# Altium PCB cheriot-test.PcbDoc (part 6 of 10)
Units mil, origin at the board's own origin, x right, y up, seen from the top; angles counter-clockwise.
Board outline 4921.26 x 3149.61 mil, 8 copper layers (Top Layer, Int1 (Sign), Int2 (GND), Int3 (Sign), Int4 (Sign), Int5 (PWR), Int6 (Sign), Bottom Layer), stack 60.424 mil thick; 468 components, 516 nets, 2293 pads, 1328 vias.
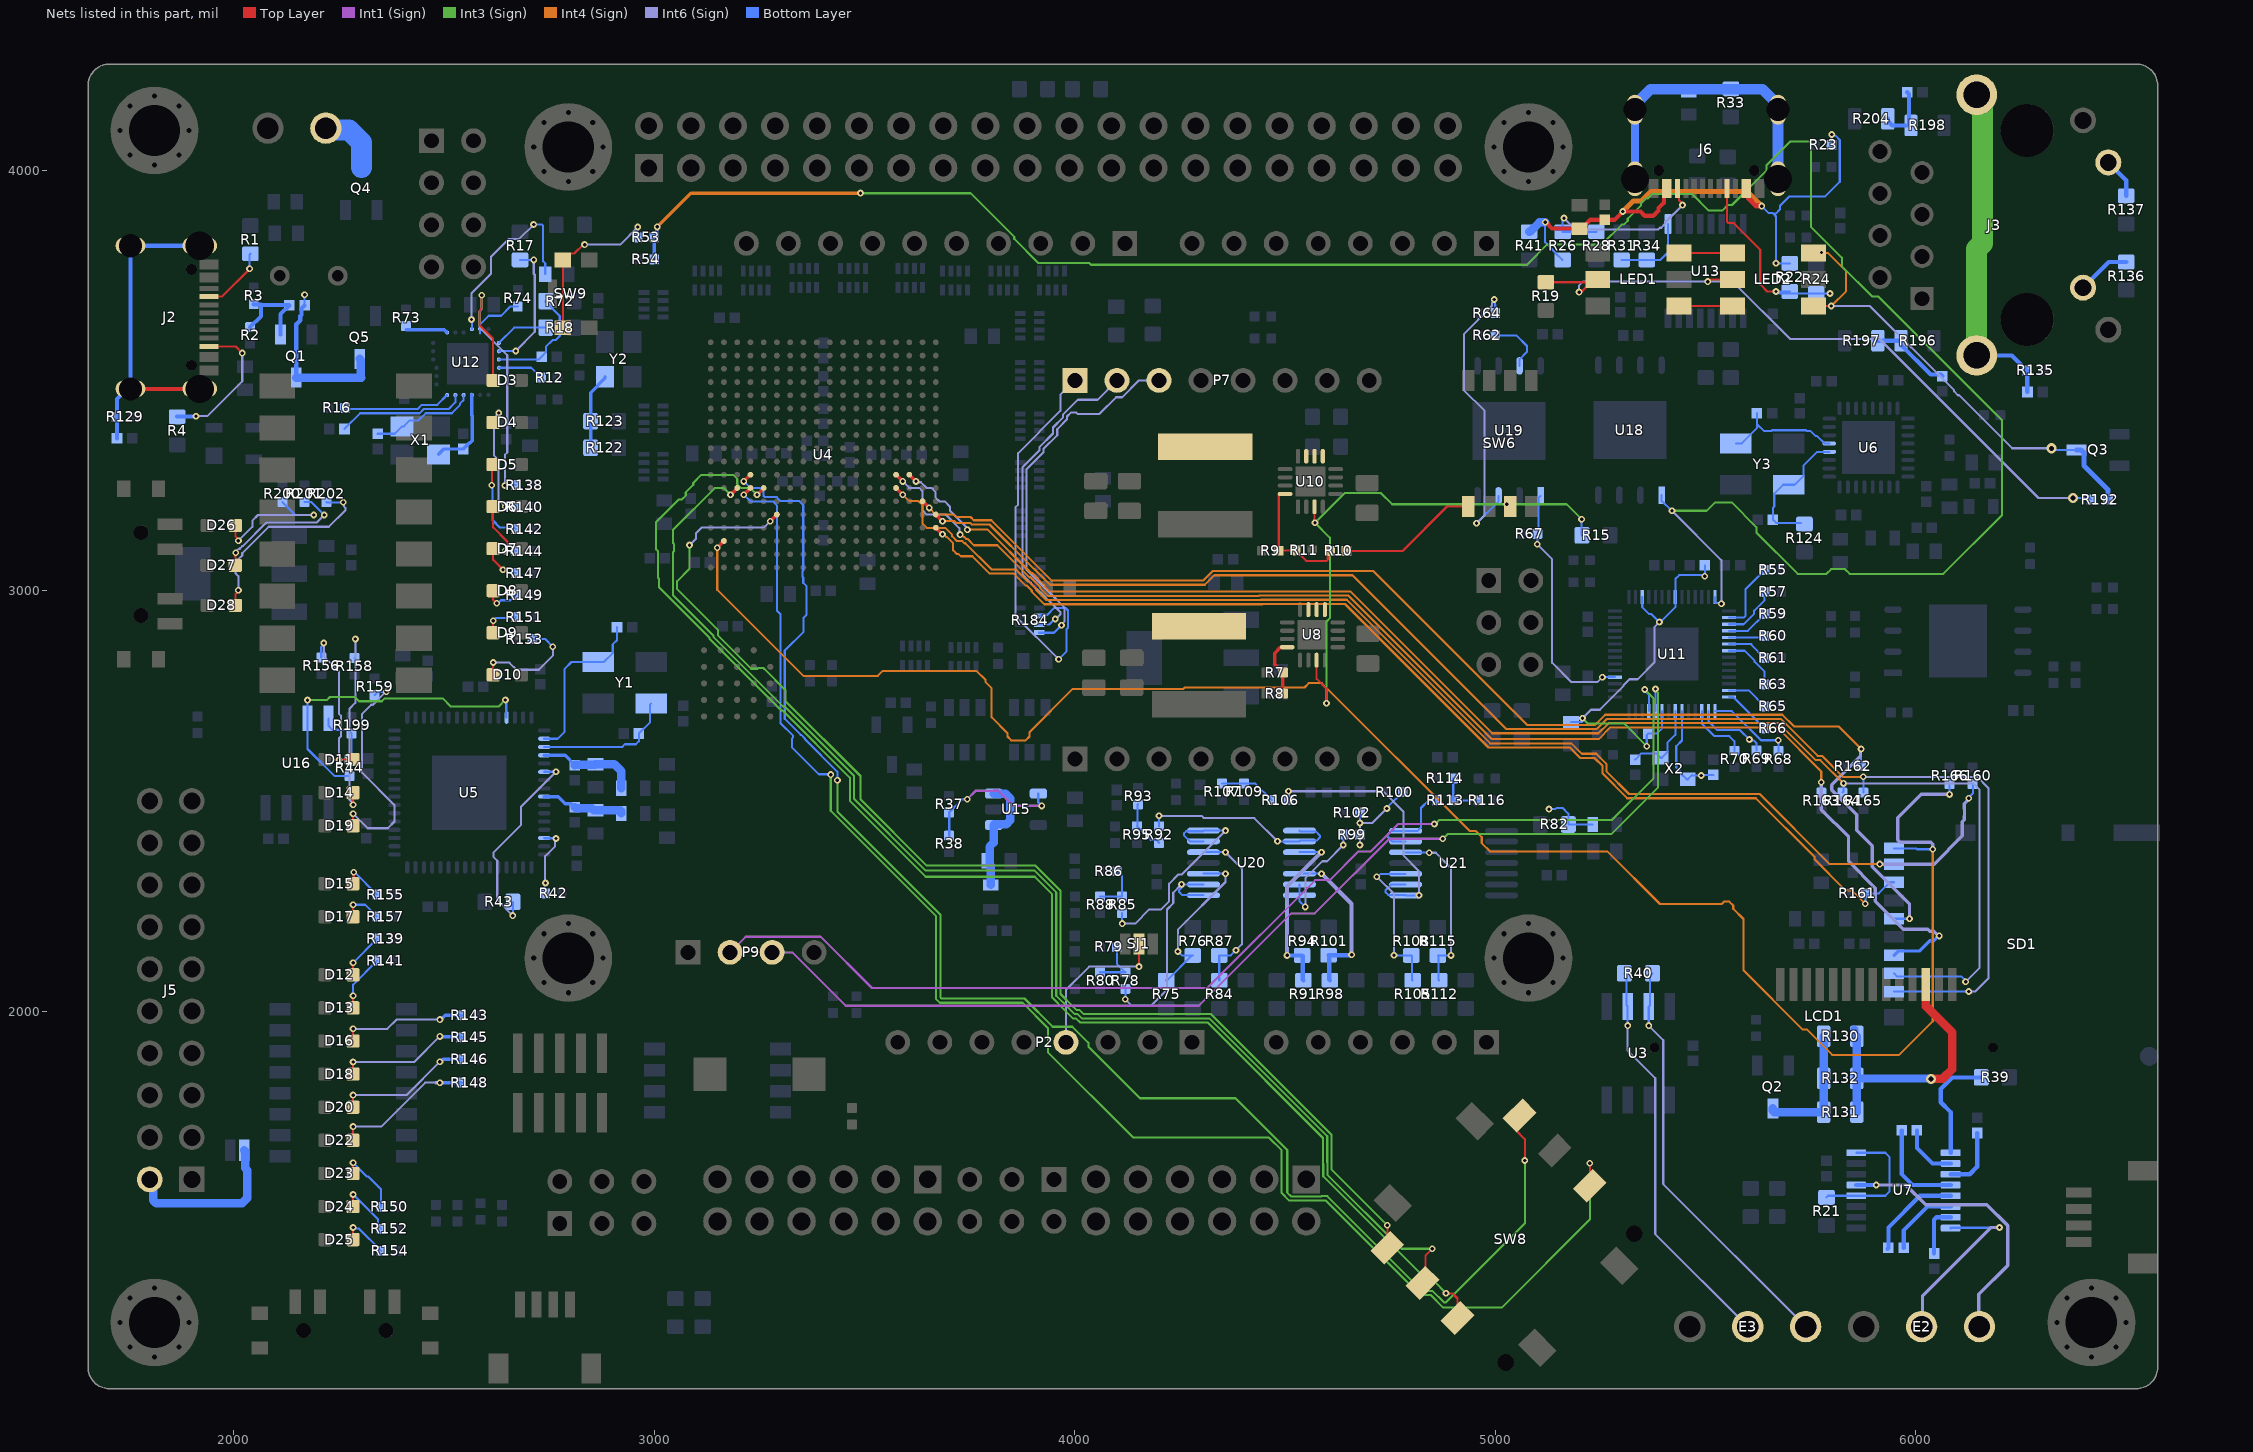
[diagram p12: the nets of this part, all layers, seen from the top]

## Via types
v1: diameter 16, hole 8, Top Layer to Bottom Layer, tented both sides, 1207 vias
v2: diameter 24, hole 12, Top Layer to Bottom Layer, tented both sides, 105 vias
v3: diameter 23.62, hole 11.81, Top Layer to Bottom Layer, tented both sides, 16 vias

## Nets (pads, with @x,y where several pads share a name; then routed paths per layer and width w, separated by ;. In a path a pad name is that pad's centre, name@x,y a point inside that pad or via, vN(x,y) a via of type N, cw(c..) or ccw(c..) an arc to the next point about the centre after c; other vN are vias at no path point) (continued)
MB8: P7.3 R184.1B | length 894.3
  Int6 (Sign) w5: v1(3968.19,2918) 3968.19,2920.02 3975.64,2927.47 3975.64,2952.21 3975.5,2952.36 3975.5,2959.5 3939.5,2995.5 3885,3050 3885,3288.62 3925.5,3329.12 3925.5,3337.22 3957.98,3369.7 3957.98,3383.84 3981.38,3407.24 3981.38,3414.25 3990.46,3423.33 4003.3,3423.33 4006.63,3420 4058.09,3420 4098.09,3460 4112.36,3460 4152.36,3500 P7.3@4200,3500
  Bottom Layer w5: R184.1B@3915.28,2900.01 3915.45,2899.83 3950.18,2899.83 3968.19,2917.85 v1(3968.19,2918)
MB9: P7.2 R184.2B | length 774.6
  Int6 (Sign) w5: v1(3953.26,2932.76) 3954.27,2932.76 3965.64,2944.14 3965.64,2948.28 3913.92,3000 3895,3018.92 3875,3038.92 3875,3292.76 3915.5,3333.26 3915.5,3341.36 3947.98,3373.84 3947.98,3387.98 3971.38,3411.38 3971.38,3418.39 4007.01,3454.03 4054.03,3454.03 P7.2@4100,3500
  Bottom Layer w5: R184.2B@3915.28,2919.69 3939.06,2919.68 3952.14,2932.76 v1(3953.26,2932.76)
MB10: P7.1 R184.3B | length 968.8
  Int6 (Sign) w5: v1(3961.25,2836.83) 3858.45,2939.63 3858.45,3198.18 3865,3204.72 3865,3326.92 3965.5,3427.42 3965.5,3465.5 P7.1@4000,3500
  Bottom Layer w5: R184.3B@3915.28,2939.38 3918.68,2942.78 3934.78,2942.78 3951,2959 3977.53,2959 3983.69,2952.84 3983.69,2911.58 3980.46,2908.35 3980.46,2856.04 v1(3961.25,2836.83)
MICROSD_CLK: R162.1 SD1.5 U4.U6 | length 3101
  Top Layer w8: U4.U6@3637.8,3212.6 v1(3653.54,3196.85)
  Int4 (Sign) w5: v1(3653.54,3196.85) 3669.54,3180.85 3712.22,3180.85 3717.78,3175.29 3751.63,3175.29 3759.51,3167.41 3801.15,3167.41 3906.66,3061.91 3906.74,3061.91 3944.65,3024 4304.77,3024 4327.46,3046.69 4709.21,3046.69 5074.99,2680.91 5237.01,2680.91 5261.1,2705 5682.43,2705 5710.43,2677 5816.19,2677 v1(5869.69,2623.5)
  Int6 (Sign) w8: v1(5869.69,2623.5) 5868.16,2621.97 5868.16,2606.1 5800,2537.94 5800,2526 5859,2467 5859,2430 5896.11,2392.89 5896.11,2343.37 5984.85,2254.62 v1(5984.85,2219.87)
  Bottom Layer w5: R162.1@5869.69,2582.82 5869.69,2600.66 v1(5869.69,2623.5) ; SD1.5@5948.23,2219.87 5977.89,2219.87 v1(5984.85,2219.87)
MICROSD_CMD: R163.1 SD1.3 U4.R8 | length 3251.4
  Top Layer w8: U4.R8@3574.8,3275.59 v1(3590.55,3259.84)
  Int4 (Sign) w5: v1(3726.97,3133.36) 3729.95,3133.36 3735.45,3127.86 3736.85,3127.86 3741.91,3122.81 3745.04,3122.81 3759.85,3108 3815.51,3108 3891.6,3031.91 3894.31,3031.91 3917.45,3008.77 3917.45,3006.06 3935.82,2987.69 4437.42,2987.69 4438.07,2988.34 4650.65,2988.34 4991.99,2647 5245.53,2647 5273.53,2675 5670,2675 5775,2570 v1(5775,2544.5)
  Int6 (Sign) w5: v1(3590.55,3259.84) 3606.05,3244.34 3629.67,3244.34 3637.33,3236.68 3637.33,3213.91 3637.84,3213.4 3637.84,3190.63 3647.62,3180.85 3691.46,3180.85 3691.66,3180.66 3693.34,3180.66 3725.14,3148.86 3725.14,3135.2 v1(3726.97,3133.36)
  Int6 (Sign) w8: v1(5775,2544.5) 5775,2479.55 5839.82,2414.72 5839.82,2356.18 5903.12,2292.88 5903.12,2261.88 5970.23,2194.77 6028.23,2194.77 6032.78,2190.22 6042.11,2190.22 6053.34,2179 v1(6055.5,2179)
  Bottom Layer w5: R163.1@5775,2519.68 v1(5775,2544.5)
  Bottom Layer w8: SD1.3@5948.23,2133.25 5958.01,2143.03 6008.03,2143.03 6032.78,2167.78 6042.11,2167.78 6053.34,2179 v1(6055.5,2179)
MICROSD_DAT0: R161.1 SD1.7 U4.V4 | length 2711.2
  Top Layer w8: U4.V4@3669.29,3149.61 v1(3685.04,3133.86)
  Int4 (Sign) w5: v1(3685.04,3133.86) 3688.02,3133.86 3694.01,3127.86 3695.6,3127.86 3710.54,3112.92 3710.54,3095.94 3719.62,3086.86 3723.63,3086.86 3728.68,3081.81 3756.13,3081.81 3797.44,3040.5 3854.73,3040.5 3883.32,3011.91 3886.03,3011.91 3897.45,3000.49 3897.45,2997.77 3927.54,2967.69 4445.7,2967.69 4446.35,2968.34 4642.37,2968.34 4983.71,2627 5176.57,2627 5201.39,2602.18 5235.58,2602.18 5254.54,2583.23 5254.54,2565.39 5313.48,2506.44 5619.32,2506.44 5758.8,2366.96 5758.8,2361.01 5832.16,2287.65 5847.22,2287.65 v1(5879.69,2255.19)
  Bottom Layer w5: v1(5879.69,2255.19) 5879.69,2262.15 R161.1@5879.69,2280 5911.9,2280 5938.39,2306.48 SD1.7@5948.23,2306.48
MICROSD_DAT1: R160.1 SD1.8 U4.R7 | length 3143.1
  Top Layer w8: U4.R7@3574.8,3244.09 v1(3590.55,3228.35)
  Int4 (Sign) w5: v1(3590.55,3228.35) 3606.05,3212.85 3627.97,3212.85 3637.8,3203.02 3637.8,3159.18 3647.62,3149.36 3691.46,3149.36 3708.13,3132.69 3708.13,3129.48 3719.74,3117.86 3732.46,3117.86 3737.51,3112.81 3739.27,3112.81 3801.58,3050.5 3858.87,3050.5 3887.46,3021.91 3890.17,3021.91 3907.45,3004.63 3907.45,3001.92 3931.68,2977.69 4441.56,2977.69 4442.21,2978.34 4646.51,2978.34 4987.85,2637 5180.71,2637 5205.53,2612.18 5239.72,2612.18 5264.54,2587.37 5264.54,2569.53 5317.62,2516.44 5628.86,2516.44 5795.51,2349.79 v1(5913.73,2349.79)
  Int6 (Sign) w8: v1(5913.73,2349.79) 6043.48,2349.79 6110.58,2416.89 6110.58,2450.79 6114.95,2455.16 6114.95,2463.2 6115.49,2463.74 6115.49,2481.14 6114.95,2481.68 6114.95,2492.92 6125.92,2503.89 v1(6125.92,2506.06)
  Bottom Layer w5: v1(5913.73,2349.79) 5918.57,2349.79 SD1.8@5948.23,2349.79 ; v1(6125.92,2506.06) 6125.92,2508 6135.91,2517.99 6135.91,2539.09 R160.1@6135,2540
MICROSD_DAT2: R165.1 SD1.1 U4.V5 | length 3547.8
  Top Layer w8: U4.V5@3669.29,3181.1 v1(3685.04,3165.35)
  Int4 (Sign) w5: v1(3685.04,3165.35) 3713.57,3165.35 3718.3,3160.63 3752.15,3160.63 3755.36,3157.41 3797.01,3157.41 3902.52,3051.91 3902.6,3051.91 3937.45,3017.06 3937.45,3016.97 3940.43,3014 4308.91,3014 4331.6,3036.69 4660.14,3036.69 5025.92,2670.91 5241.15,2670.91 5265.24,2695 5678.28,2695 5766.28,2607 5776.64,2607 5826.44,2557.2 v1(5875,2557.2)
  Int6 (Sign) w5: v1(5875,2557.2) 6145.67,2557.2 6172.5,2530.37 6172.5,2078.01 6141.42,2046.93 6126.21,2046.93 v1(6125.92,2046.64)
  Bottom Layer w5: R165.1@5875,2519.68 v1(5875,2557.2) ; SD1.1@5948.23,2046.64 v1(6125.92,2046.64) 6132.08,2046.64 v1@6132.08,2043.66
MICROSD_DAT3: R164.1 SD1.2 U4.T8 | length 3566.8
  Top Layer w8: U4.T8@3606.3,3275.59 v1(3622.05,3259.84)
  Int4 (Sign) w5: v1(3744.37,3145.13) 3744.99,3145.75 3791.9,3145.75 3895.74,3041.91 3898.46,3041.91 3927.45,3012.91 3927.45,3010.2 3939.96,2997.69 4433.27,2997.69 4433.93,2998.34 4654.79,2998.34 4992.22,2660.91 5245.3,2660.91 5269.38,2685 5674.14,2685 5762.14,2597 5772.5,2597 v1(5827.8,2541.7)
  Int6 (Sign) w5: v1(3622.05,3259.84) 3624.15,3257.74 3633.73,3257.74 3647.12,3244.34 3659.03,3244.34 3668.33,3235.04 3668.33,3221.93 3677.91,3212.35 3690.26,3212.35 3702.85,3199.76 3702.85,3190.22 3739.79,3153.28 3739.79,3152.68 3744.37,3148.1 v1(3744.37,3145.13) ; v1(5827.8,2541.7) 6136.37,2541.7 6151.41,2526.66 6151.41,2103.26 v1(6118.14,2070)
  Bottom Layer w5: R164.1@5825,2519.68 5827.8,2522.48 v1(5827.8,2541.7) ; SD1.2@5948.23,2089.95 5955.9,2082.28 6108.84,2082.28 6118.14,2072.98 v1(6118.14,2070)
MICROSD_DET: R166.1 SD1.9 U4.B3 | length 4594.4
  Top Layer w8: v1(3149.61,3102.36) U4.B3@3165.35,3118.11
  Int4 (Sign) w5: v1(3149.61,3102.36) 3149.61,3002.11 3354.25,2797.47 3531.5,2797.47 3543.31,2809.28 3765.82,2809.28 3787.61,2787.49 3787.61,2782.4 3801.89,2768.11 3801.89,2698.79 3839.61,2661.08 3839.61,2653.08 3848.69,2644 3882.84,2644 3891.92,2653.08 3891.92,2663.08 3995.3,2766.46 4258.43,2766.46 4261.74,2769.78 4546,2769.78 4556.22,2780 4587.25,2780 4938.41,2428.83 4952.56,2428.83 4967.49,2413.9 4967.49,2399.76 4987.25,2380 5266.42,2380 5391.42,2255 5538.08,2255 5543.58,2260.5 5556.42,2260.5 5565.5,2251.42 5565.5,2243.64 5590,2219.14 5590,2096.94 5730.07,1956.88 5740.2,1956.88 5801.08,1896 5960,1896 6040,1976 v1(6040,2385)
  Int6 (Sign) w8: v1(6040,2385) 6039.84,2385.16 6039.84,2397.13 6035.16,2401.81 5962.22,2401.81 5956.94,2407.09 5956.94,2459.96 6012.49,2515.5 v1(6080,2515.5)
  Bottom Layer w5: SD1.9@5948.23,2387.19 6001.04,2387.19 6003.23,2385 v1(6040,2385) ; v1(6080,2515.5) R166.1@6080,2540.32
NAVSW_0: SW8.1 U4.F5 | length 2980.7
  Top Layer w5: SW8.1@4742.97,1437.33 4742.97,1483.73 v1(4742.97,1490.69)
  Top Layer w8: v1(3275.59,3165.35) U4.F5@3291.34,3181.1
  Int3 (Sign) w5: v1(3083.5,3108.36) 3083.5,3052.08 3054.22,3022.8 3054.22,3003.58 3150.96,2906.84 3150.96,2893.56 3230.23,2814.29 3245.61,2814.29 3246.98,2815.66 3259.82,2815.66 3261.19,2814.29 3311.57,2763.91 3311.57,2737.61 3490,2559.18 3490,2503.83 3647.61,2346.21 3906.21,2346.21 3965.77,2286.66 3965.77,2040.8 3995,2011.57 3995,2011.38 4003.37,2003.01 4010.65,2003.01 4020.65,1993.01 4323.8,1993.01 4610,1706.81 4610,1644.89 4610.5,1644.39 4610.5,1623.16 v1(4742.97,1490.69)
  Int6 (Sign) w5: v1(3083.5,3108.36) 3098.9,3123.75 3098.9,3136.56 3112.19,3149.85 3260.09,3149.85 v1(3275.59,3165.35)
NAVSW_1: SW8.4 U4.D8 | length 3644.9
  Top Layer w5: SW8.4@5057.55,1751.91 5050.59,1744.95 5050.59,1715.07 5070,1695.66 v1(5070,1645)
  Top Layer w8: v1(3212.6,3259.84) U4.D8@3228.35,3275.59
  Int3 (Sign) w5: v1(3435.21,2548.87) 3435.21,2474.79 3680,2230 3680,2032.93 3682.93,2030 3880,2030 3946.99,1963.01 3994.08,1963.01 4032.04,1925.05 4032.04,1915.89 4154.98,1792.95 4382.05,1792.95 4505,1670 4505,1568.39 4513.89,1559.5 4586.11,1559.5 4586.61,1560 4600,1560 4825,1335 4850,1335 4877.93,1307.07 4882.07,1307.07 5070,1495 v1(5070,1645)
  Bottom Layer w5: v1(3212.6,3259.84) 3228.1,3244.34 3250.02,3244.34 3259.59,3234.77 3259.59,3225.28 3262.52,3222.35 3291.16,3222.35 3300.67,3212.85 3344.51,3212.85 3354.08,3203.27 3354.08,3048.12 3352.58,3046.62 3352.58,3032.12 3354.08,3030.62 3354.08,3018.78 3362.2,3010.66 3362.2,2943.19 3354.79,2935.77 3354.79,2902.58 3310,2857.8 3310,2695 3347.77,2657.23 3348.94,2657.23 3358.02,2648.15 3358.02,2646.98 3435.21,2569.79 v1(3435.21,2548.87)
NAVSW_2: SW8.2 U4.C7 | length 3136.2
  Top Layer w5: SW8.2@4826.48,1353.81 4833.44,1360.77 4833.44,1418.44 v1(4850,1435)
  Top Layer w8: v1(3181.1,3228.35) U4.C7@3196.85,3244.09
  Int3 (Sign) w5: v1(3181.1,3228.35) 3165.6,3243.85 3143.19,3243.85 3044.22,3144.88 3044.22,3113.28 3047.06,3110.44 3047.06,3094.29 3044.22,3091.45 3044.22,2989.06 3140.96,2892.32 3140.96,2889.42 3305.49,2724.88 3309.4,2724.88 3475,2559.28 3475,2504.69 3645.54,2334.14 3904.14,2334.14 3955.77,2282.52 3955.77,2036.66 3985,2007.43 3985,2007.24 3999.22,1993.01 4006.5,1993.01 4016.5,1983.01 4319.66,1983.01 4600,1702.67 4600,1640.75 4600.5,1640.25 4600.5,1611.24 4776.74,1435 v1(4850,1435)
NAVSW_3: SW8.3 U4.E7 | length 3378
  Top Layer w5: v1(4882.41,1329.33) 4882.95,1328.79 4897.91,1328.79 4910,1316.7 SW8.3@4910,1270.29
  Top Layer w8: v1(3244.09,3228.35) U4.E7@3259.84,3244.09
  Int3 (Sign) w5: v1(3244.09,3228.35) 3228.59,3243.85 3206.67,3243.85 3197.1,3253.42 3197.1,3265.77 3187.52,3275.34 3111.69,3275.34 3092.54,3256.19 3092.54,3251.72 3074.56,3233.74 3074.56,3225.86 3065.48,3216.78 3057.6,3216.78 3004.12,3163.3 3004.12,3098.22 3008.5,3093.84 3008.5,3030.58 3011,3028.08 3011,3008.14 3130.96,2888.18 3130.96,2885.28 3301.35,2714.88 3305.25,2714.88 3465,2555.14 3465,2500 3645.43,2319.57 3904.57,2319.57 3945.77,2278.37 3945.77,2032.52 3975,2003.28 3975,2003.09 3995.08,1983.01 4002.36,1983.01 4012.36,1973.01 4315.52,1973.01 4590,1698.53 4590,1636.61 4590.5,1636.11 4590.5,1607.1 4840.1,1357.5 4854.24,1357.5 v1(4882.41,1329.33)
NAVSW_4: SW8.6 U4.D7 | length 3687.1
  Top Layer w5: SW8.6@5224.58,1584.87 v1@5224.58,1631.27 ; v1@5224.58,1631.28 v1(5224.58,1638.24)
  Top Layer w8: v1(3212.6,3228.35) U4.D7@3228.35,3244.09
  Int3 (Sign) w5: v1(3419.33,2562.61) 3419.33,2476.52 3670,2225.86 3670,2028.79 3678.79,2020 3875.86,2020 3935.77,1960.09 3935.77,1902.48 4138.75,1699.5 4461.36,1699.5 4491.5,1669.36 4491.5,1567.75 4509.75,1549.5 4590.25,1549.5 4590.75,1550 4595.86,1550 4820.86,1325 4845.86,1325 4875.86,1295 5015,1295 5224.58,1504.58 v1(5224.58,1638.24)
  Bottom Layer w5: v1(3212.6,3228.35) 3228.59,3212.35 3282.01,3212.35 3291.4,3202.96 3291.4,3064.26 3291.34,3064.2 3291.34,2952.76 3300,2944.09 3300,2685 3329.86,2655.14 3329.86,2651 3327.02,2648.15 3327.02,2627.44 3391.09,2563.37 3418.58,2563.37 v1(3419.33,2562.61)
NetC4_1: C4.1 Q1.3 Q5.3 | length 406.7
  Bottom Layer w5: C4.1@2168.11,3678.27 2168.11,3696.9 v1(2168.11,3703.87)
  Bottom Layer w10: Q1.3@2148.52,3506.62 2148.52,3633.66 2157.79,3642.93 2157.79,3653.06 2160.51,3655.78 2160.51,3670.67 C4.1@2168.11,3678.27
  Bottom Layer w20: Q1.3@2148.52,3506.62 2303.5,3506.62 2302.01,3508.11 2302.01,3548.39 Q5.3@2299.21,3551.18
NetC4_2: C4.2 Q1.1 R2.2 R3.1 | length 228.1
  Bottom Layer w10: R2.2@2038.67,3626.67 2064.37,3652.37 2064.37,3680.45 ; R3.1@2047.24,3681.1 2047.9,3680.45 2064.37,3680.45 ; Q1.1@2111.12,3608.98 2111.12,3657.5 C4.2@2131.89,3678.27 2130.8,3679.36 2065.46,3679.36 2064.37,3680.45
NetC47_1: C47.1 U12.10 | length 466.4
  Int6 (Sign) w5: v1(2565,3645) 2565,3707 2611,3753 2611,3793.37 2654.26,3836.63 2678.71,3836.63 v1(2712.69,3870.61)
  Bottom Layer w5: v1(2565,3645) 2565.99,3644.01 U12.10@2565.99,3622.03 ; v1(2712.69,3870.61) 2713.23,3871.15 2732.57,3871.15 2735.5,3868.22 2735.5,3783.5 2740.55,3778.45 C47.1@2740.55,3752.68
NetC48_1: C48.1 U12.23 | length 306.9
  Bottom Layer w5: C48.1@2263.11,3384.87 2300.19,3421.95 2441.81,3421.95 2451.81,3431.95 2510.65,3431.95 2526.62,3447.93 U12.23@2526.62,3465.16
NetC49_1: C49.1 U7.5 | length 230.9
  Bottom Layer w10: C49.1@5932.6,1434.96 C49.1@5934.65,1437.01 5934.65,1485.83 6009.84,1561.02 U7.5@6082.68,1561.02
NetC49_2: C49.2 U7.6 | length 177
  Bottom Layer w10: C49.2@5970.87,1437.01 5970.87,1478.74 6027.56,1535.43 U7.6@6082.68,1535.43
NetC50_1: C50.1 C51.1 J6.A4-B9 J6.B4-A9 R22.1 R23.1 R26.1 R41.1 | length 1479.1
  Top Layer w10: v1(5118.31,3876) 5119.93,3876 5134.85,3861.08 C50.1@5200,3861.08 5203.94,3861.08 5224.74,3881.89 5283.46,3881.89 v1(5303.15,3901.57) 5345.01,3901.57 5355.2,3891.39 5375.25,3891.39 5388.14,3904.27 5388.14,3910.16 5400.67,3922.69 5400.67,3949.88 J6.B4-A9@5407.48,3956.69
  Top Layer w12: J6.A4-B9@5596.46,3956.69 5602.27,3950.88 5602.27,3932.37 5619.3,3915.34 5632.81,3915.34 v1(5633.57,3914.57)
  Int4 (Sign) w12: v1(5303.15,3901.57) 5328.57,3926.99 5347.22,3926.99 5369.05,3948.82 5599.33,3948.82 v1(5633.57,3914.57)
  Bottom Layer w5: v1(5118.31,3876) 5118.31,3828.23 5144.01,3802.53 5144.01,3801.61 5159.08,3786.54 R26.1@5160,3786.54 ; v1(5633.57,3914.57) 5650.28,3897.87 5659.13,3897.87 5660.39,3896.61 ; R22.1@5700,3778.47 5674.28,3778.47 v1(5667.31,3778.47) 5667.31,3889.69 5660.39,3896.61 ; R23.1@5799.69,4060 5799.69,4077.85 v1(5799.69,4084.81) 5801.79,4082.71 5808.09,4082.71 5819,4071.81 5819,3972.54 5783.46,3937.01 5698.28,3937.01 5676.92,3915.65 5676.92,3906.97 5666.56,3896.61 5660.39,3896.61
  Bottom Layer w20: R41.1@5080,3853.46 5081.97,3853.46 5104.5,3876 v1(5118.31,3876)
NetC52_1: C52.1 J6.1 J6.2 J6.3 J6.4 R33.1 | length 723.8
  Bottom Layer w19.68: J6.2@5331.89,3979.33 J6.4@5331.89,4143.9
  Bottom Layer w25: J6.4@5331.89,4143.9 5331.89,4155.76 5369.05,4192.91 5634.89,4192.91 5672.05,4155.76 J6.3@5672.05,4143.9 J6.1@5672.05,3979.33
NetC57_1: C57.1 L3.2 U15.1 U15.3 | length 288.3
  Bottom Layer w20: L3.2@3800,2300 3800,2346.25 3797.2,2349.05 3797.2,2391.14 3806.85,2400.79 U15.1@3806.85,2442.6 3808.66,2444.41 3836.7,2444.41 3846.6,2454.31 3846.6,2505.69 3834.88,2517.4 U15.3@3806.85,2517.4
NetC61_1: C61.1 U7.4 | length 231.2
  Bottom Layer w10: C61.1@5966.14,1716.54 5966.14,1612.6 5992.13,1586.61 U7.4@6082.68,1586.61
NetC61_2: C61.2 U7.2 | length 137.4
  Bottom Layer w10: C61.2@6002.36,1716.54 6002.36,1674.8 6039.37,1637.8 U7.2@6082.68,1637.8
NetC62_1: C62.1 U7.7 | length 122.1
  Bottom Layer w10: C62.1@6043.31,1423.62 6043.31,1503.94 6049.21,1509.84 U7.7@6082.68,1509.84
NetC63_2: C63.2 U7.3 | length 150.6
  Bottom Layer w10: U7.3@6082.68,1612.2 6127.95,1612.2 6145.67,1629.92 C63.2@6145.67,1710.24
NetC70_1: C70.1 C71.1 L5.2 U5.9 | length 217.6
  Bottom Layer w5: L5.2@2913.7,2477.56 L5.2@2921.26,2470
  Bottom Layer w8: U5.9@2738.15,2510.16 2771.9,2510.16 2788.42,2493.64 2802.43,2493.64 C71.1@2811.02,2485.04
  Bottom Layer w20: C71.1@2811.02,2485.04 2813.62,2482.44 2851.18,2482.44 2856.06,2477.56 C70.1@2860,2477.56 2913.7,2477.56 2918.66,2477.56 L5.2@2921.26,2474.96 ; L5.2@2918.66,2478.11 2921.26,2475.51 L5.2@2921.26,2474.96 ; L5.2@2921.26,2470 L5.2@2921.26,2474.96
NetC73_1: C73.1 C74.1 L6.2 U5.4 | length 241.7
  Bottom Layer w8: U5.4@2738.15,2608.58 2787.48,2608.58 C74.1@2811.02,2585.04
  Bottom Layer w20: C74.1@2811.02,2585.04 2812.28,2586.3 2858.74,2586.3 C73.1@2860,2587.56 2904.57,2587.56 2921.26,2570.87 L6.2@2921.26,2530
NetC77_1: C77.1 U5.2 Y1.1 | length 400.9
  Bottom Layer w5: U5.2@2738.15,2647.95 2770,2647.95 2786.57,2664.53 2786.57,2814.13 2802.76,2830.32 2822.7,2830.32 Y1.1@2866.14,2830.32 2879.92,2830.32 2901.04,2851.44 2901.04,2872.37 2911.02,2882.35 C77.1@2911.02,2913.39
NetC78_1: C78.1 U5.3 Y1.3 | length 332.7
  Bottom Layer w5: U5.3@2738.15,2628.27 2923.47,2628.27 2929.86,2634.65 2956.03,2634.65 2962.99,2641.62 C78.1@2962.99,2660.25 2990,2687.26 2990,2729.77 Y1.3@2992.13,2731.89
NetC81_1: C81.1 C84.1 C85.1 U11.23 U11.45 U11.50 | length 954.6
  Int3 (Sign) w5: v1(5207.07,2696.41) 5219.48,2684 5306,2684 v1(5360,2630)
  Int6 (Sign) w5: v1(5207.07,2696.41) 5227.42,2716.76 5248.27,2716.76 5305,2773.5 5305,2775.57 5318.88,2789.45 5338.3,2789.45 5378.01,2829.16 5378.01,2913.36 v1(5390,2925.36)
  Bottom Layer w5: C81.1@5180,2687.56 5204.74,2687.56 5206.2,2687.56 5206.2,2695.55 v1(5207.07,2696.41) ; U11.45@5349.13,2985.19 5349.13,2960.96 5365.88,2944.21 5371.15,2944.21 v1(5390,2925.36) ; v1(5360,2630) 5360,2656.89 C85.1@5363.11,2660 5383.21,2660 5396.38,2673.17 U11.23@5396.38,2713.54 ; v1@5390,2925 5391.92,2925 5427.87,2960.96 U11.50@5427.87,2985.19 5427.87,3027.67 5437.2,3037 5492.53,3037 5495.13,3034.4 v1(5498.11,3034.4) C84.1@5498.11,3060
NetC92_1: C92.1 U11.20 X2.1 | length 246.3
  Bottom Layer w5: U11.20@5443.62,2713.54 5443.62,2643.62 5430,2630 5430,2579.06 5441.39,2567.66 5441.39,2564.71 5454.64,2551.46 X2.1@5457.59,2551.46 5468.02,2561.89 5469.41,2560.5 v1(5489.29,2560.5) ; v1@5489.29,2561.89 5489.35,2561.94 5518.01,2561.94 C92.1@5518.06,2561.89
NetC93_1: C93.1 U11.21 X2.3 | length 198.2
  Bottom Layer w5: C93.1@5332.17,2598.11 5347.18,2613.12 5382.15,2613.12 X2.3@5392.63,2602.64 5395.59,2602.64 5408.83,2615.89 5408.83,2638.09 5427.87,2657.13 U11.21@5427.87,2713.54
NetC94_1: C94.1 R72.1 U12.15 | length 272.4
  Bottom Layer w5: U12.15@2630.27,3549.68 2724.83,3549.68 C94.1@2731.89,3556.75 2741.99,3566.84 2741.99,3579.99 2758,3596 2765.26,3596 2775,3605.74 2775,3653.19 2741.54,3686.66 R72.1@2741.54,3688.63
NetC95_1: C95.1 U12.22 X1.3 | length 251.6
  Bottom Layer w5: C95.1@2341.71,3373.11 2382.28,3373.11 X1.3@2400,3390.83 2403.94,3390.83 2418.11,3405 2439,3405 2455.95,3421.95 2514.79,3421.95 2518.21,3421.95 2538.12,3441.86 2538.12,3445.41 2545.94,3453.22 2545.94,3464.8 U12.22@2546.31,3465.16
NetC96_1: C96.1 U12.21 X1.1 | length 202.8
  Bottom Layer w8: X1.1@2486.61,3323.9 2499.6,3336.89 C96.1@2545,3336.89 2559.26,3351.15 2560.96,3351.15 2566.6,3356.78 2566.6,3416.65 2565.99,3417.26 U12.21@2565.99,3465.73
NetC108_1: C108.1 R124.2 U6.20 Y3.1 | length 319.6
  Bottom Layer w5: R124.2@5726.54,3161.31 5667.56,3161.31 C108.1@5660,3168.87 5660,3194.47 5660,3197.44 5663.05,3200.49 5663.05,3230.81 5684.17,3251.93 Y3.1@5697.95,3251.93 5711.73,3251.93 5732.85,3273.06 5732.85,3297.87 5765.14,3330.16 U6.20@5794.05,3330.16
NetC109_1: C109.1 U6.21 Y3.3 | length 293.1
  Bottom Layer w5: Y3.3@5571.97,3350.36 5585.75,3350.36 5621.89,3386.5 C109.1@5621.89,3422 ; 5621.89,3396.4 5638.29,3380 5655.96,3380 5657.44,3381.48 5738.46,3381.48 5739.94,3380 5749.16,3380 5761.56,3367.6 5765.1,3367.6 5782.85,3349.84 U6.21@5794.05,3349.84
NetC116_1: C116.1 J2.1 J2.2 J2.3 J2.4 R129.1 | length 804.9
  Top Layer w10: J2.4@1754.13,3479.92 J2.2@1918.7,3479.92